# Altium PCB Shuttler_AFE.PcbDoc (part 2 of 5) (continued)
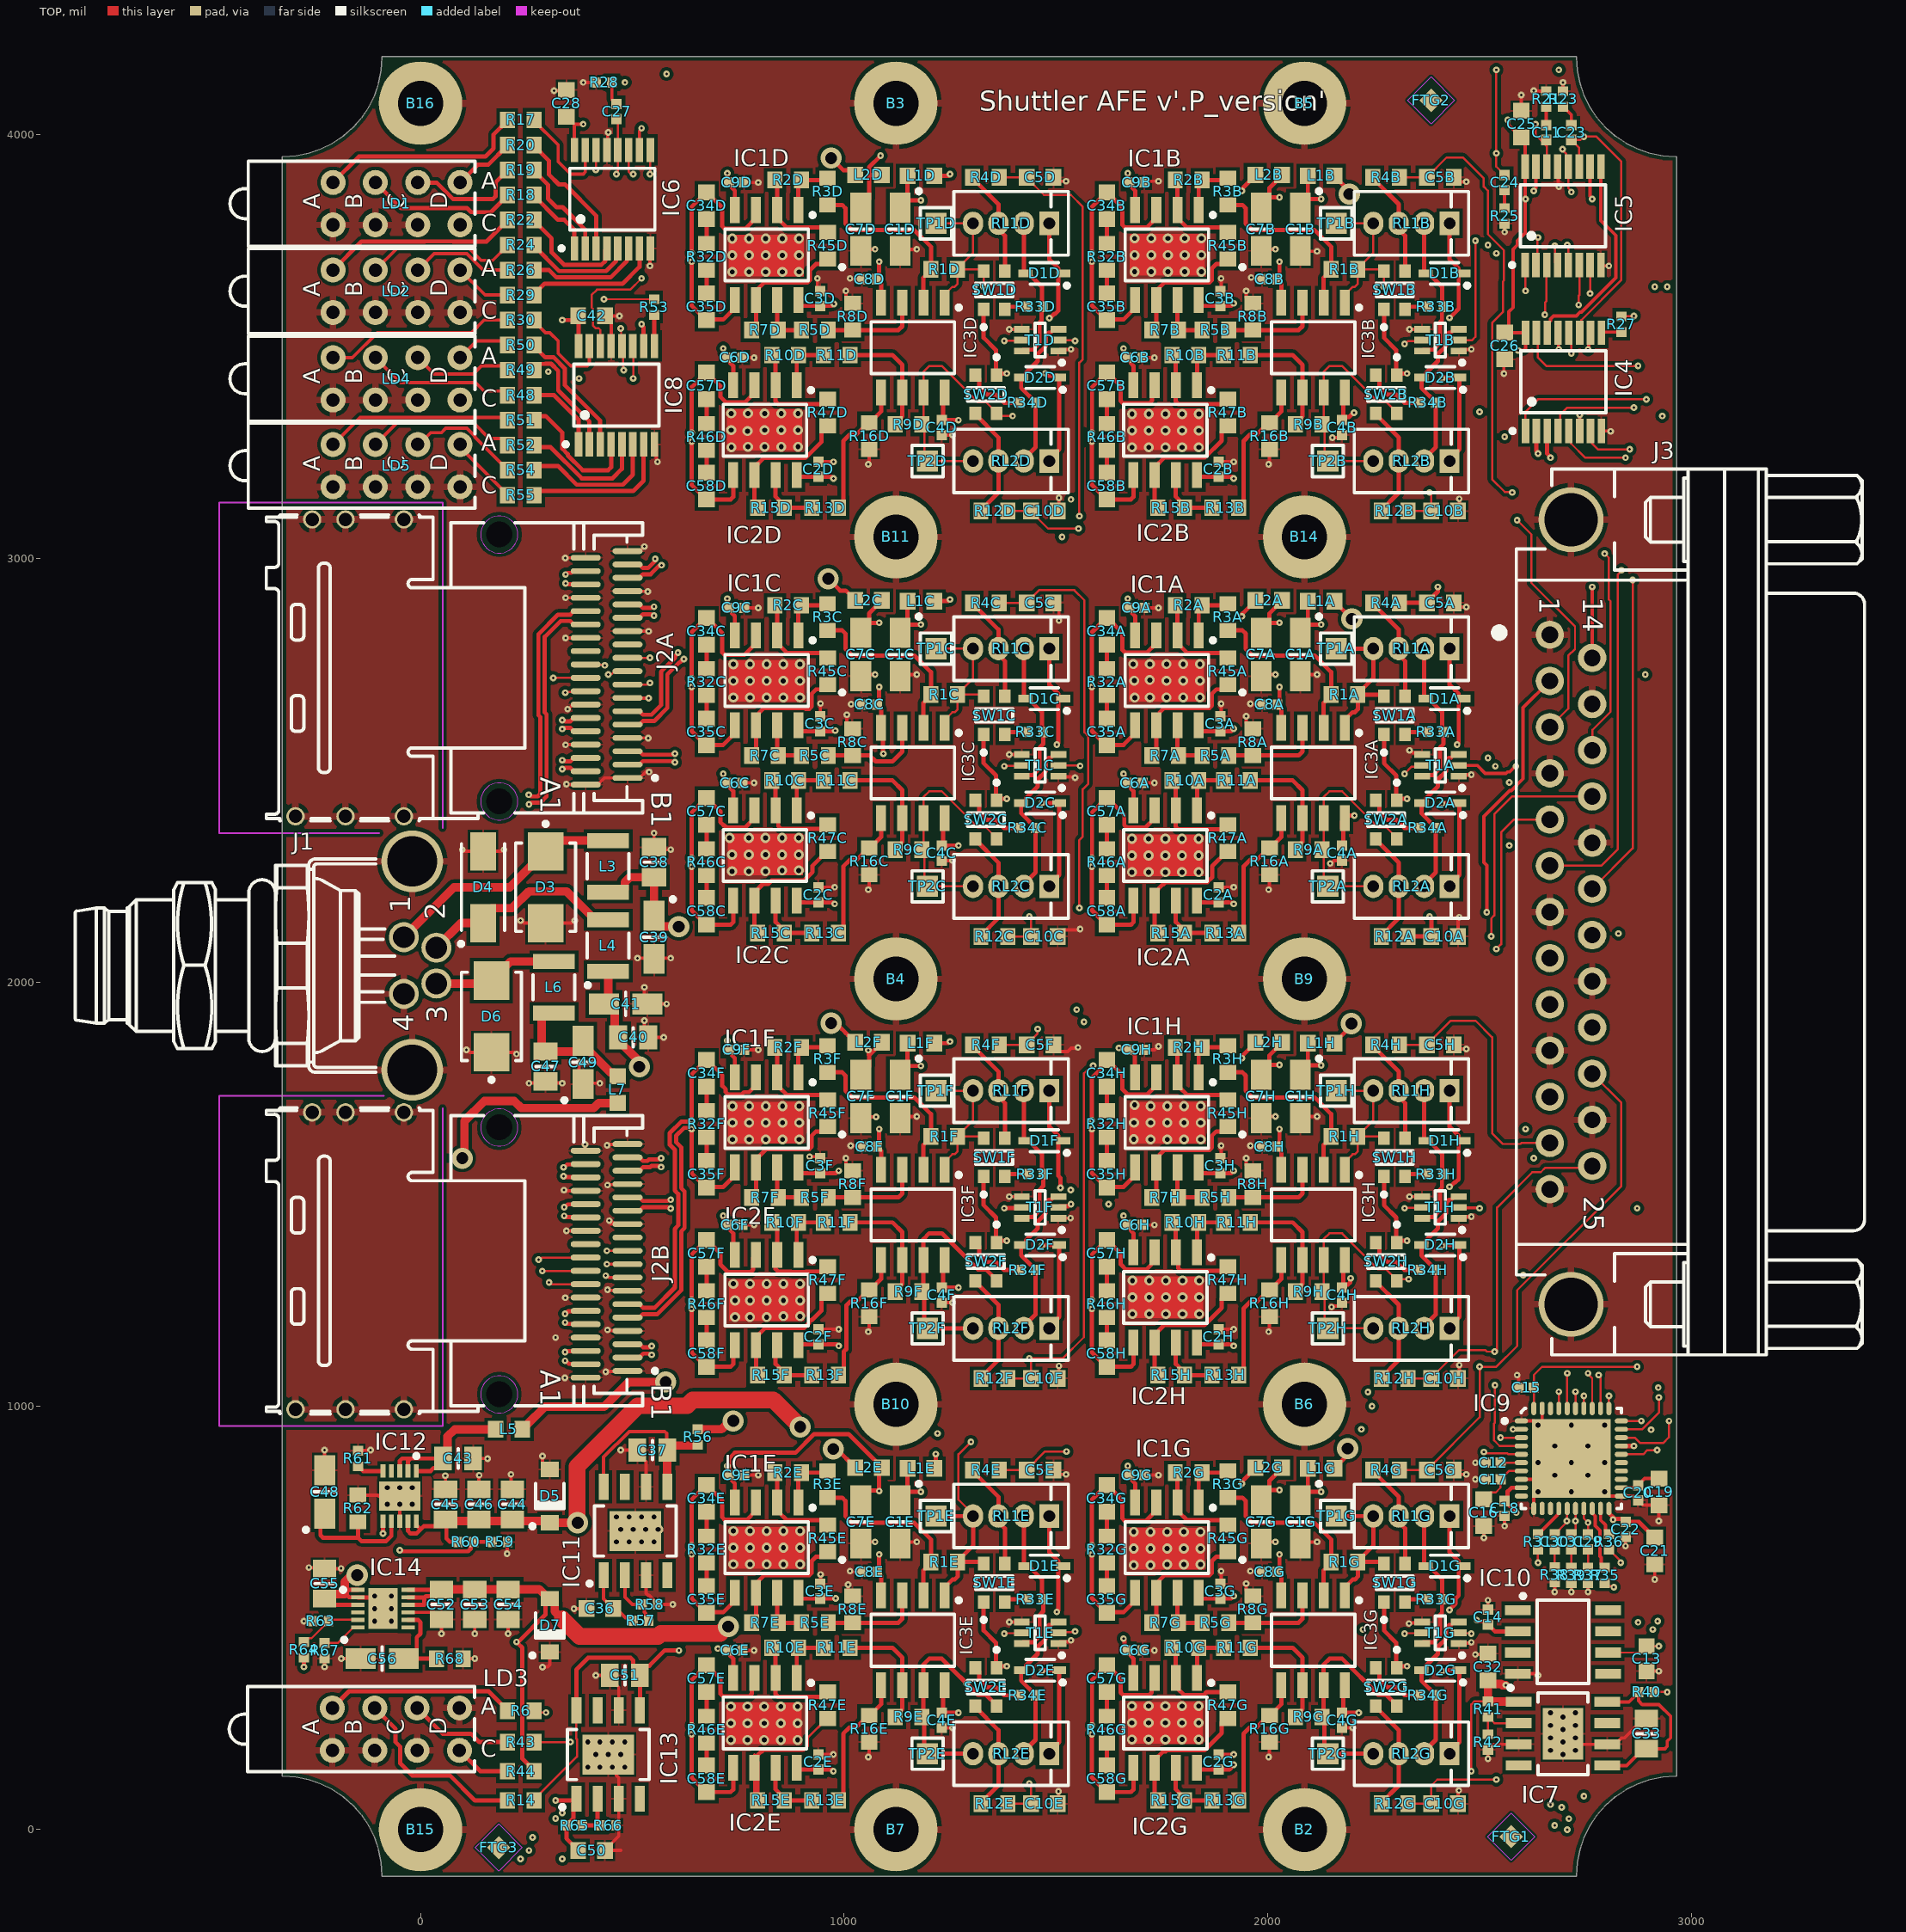
[diagram p0: TOP view]
## Part data (continued)
R4A R4B R4C R4D R4E R4F R4G R4H R12A R12B R12C R12D R12E R12F R12G R12H: library part R0603_47R_1%_0.1W_100PPM, "Resistor - 1%", Case=0603, Manufacturer=GENERIC, Manufacturer1 ComponentHeight=0.55mm, Manufacturer1 Example="NIC COMPONENT", Manufacturer1 Part Number=NRC06F47R0TRF, Power=0.1W, Tolerance=±1%, Author="CERN DEM JLC", Component Type=Standard, CreateDate=03.12.2007, HelpURL=\\cern.ch\dfs\Applications\Altium\Datasheets\R0603_NIC_NRC.pdf, LatestRevisionDate=13.03.2008, Manufacturer Part Number=R0603_47R_1%_0.1W_100PPM, Mounted=Yes, Part Description="General Purpose Thick Film Chip Resistor", Part Number=R0603_47R_1%_0.1W_100PPM, Pin Count=2, PressFit=No, Sense=No, SMD=Yes, Socket=No, Status=Preferred, TC=±100ppm/°C
R6 R17 R18 R19 R20 R22 R24 R26 R29 R30 R48 R49 R50 R51 R52 R54 R55: library part R0603_560R_1%_0.1W_100PPM, "Resistor - 1%", Case=0603, Manufacturer=GENERIC, Manufacturer1 ComponentHeight=0.55mm, Manufacturer1 Example="NIC COMPONENT", Manufacturer1 Part Number=NRC06F5600TRF, Power=0.1W, Tolerance=±1%, Author="CERN DEM JLC", Component Type=Standard, CreateDate=03.12.2007, HelpURL=\\cern.ch\dfs\Applications\Altium\Datasheets\R0603_NIC_NRC.pdf, LatestRevisionDate=13.03.2008, Manufacturer Part Number=R0603_560R_1%_0.1W_100PPM, Mounted=Yes, Part Description="General Purpose Thick Film Chip Resistor", Part Number=R0603_560R_1%_0.1W_100PPM, Pin Count=2, PressFit=No, Sense=No, SMD=Yes, Socket=No, Status=Preferred, TC=±100ppm/°C
R14: library part R0603_1K5_1%_0.1W_100PPM, "Resistor - 1%", Case=0603, Manufacturer=GENERIC, Manufacturer1 ComponentHeight=0.55mm, Manufacturer1 Example="NIC COMPONENT", Manufacturer1 Part Number=NRC06F1501TRF, Power=0.1W, Tolerance=±1%, Author="CERN DEM JLC", Component Type=Standard, CreateDate=03.12.2007, HelpURL=\\cern.ch\dfs\Applications\Altium\Datasheets\R0603_NIC_NRC.pdf, LatestRevisionDate=13.03.2008, Manufacturer Part Number=R0603_1K5_1%_0.1W_100PPM, Mounted=Yes, Part Description="General Purpose Thick Film Chip Resistor", Part Number=R0603_1K5_1%_0.1W_100PPM, Pin Count=2, PressFit=No, Sense=No, SMD=Yes, Socket=No, Status=Preferred, TC=±100ppm/°C
R21 R23 R25 R27 R28 R31 R35 R36 R37 R38 R39 R53: library part R0402_49R9_1%_0.0625W_100PPM, "Resistor - 1%", Case=0402, Manufacturer=GENERIC, Manufacturer1 ComponentHeight=0.4mm, Manufacturer1 Example="YAGEO PHYCOMP", Manufacturer1 Part Number="232270674999L or RC0402FR-0749R9L", Power=0.0625W, Tolerance=±1%, Author="CERN DEM JLC", Component Type=Standard, CreateDate=24.10.2012, HelpURL=\\cern.ch\dfs\Applications\Altium\Datasheets\R0402_Phycomp_RC0402.pdf, LatestRevisionDate=24.10.2012, Manufacturer Part Number=R0402_49R9_1%_0.0625W_100PPM, Mounted=Yes, Part Description="General Purpose Thick Film Chip Resistor", Part Number=R0402_49R9_1%_0.0625W_100PPM, Pin Count=2, PressFit=No, Sense=No, SMD=Yes, Socket=No, Status="Not Recommended", TC=±100ppm/°C
R32A R32B R32C R32D R32E R32F R32G R32H R46A R46B R46C R46D R46E R46F R46G R46H: library part R0603_100R_1%_0.1W_100PPM, "Resistor - 1%", Case=0603, Manufacturer=GENERIC, Manufacturer1 ComponentHeight=0.55mm, Manufacturer1 Example="NIC COMPONENT", Manufacturer1 Part Number=NRC06F4700TRF, Power=0.1W, Tolerance=±1%, Author="CERN DEM JLC", Component Type=Standard, CreateDate=03.12.2007, HelpURL=\\cern.ch\dfs\Applications\Altium\Datasheets\R0603_NIC_NRC.pdf, LatestRevisionDate=13.03.2008, Manufacturer Part Number=R0603_100R_1%_0.1W_100PPM, Mounted=Yes, Part Description="General Purpose Thick Film Chip Resistor", Part Number=R0603_100R_1%_0.1W_100PPM, Pin Count=2, PressFit=No, Sense=No, SMD=Yes, Socket=No, Status=Preferred, TC=±100ppm/°C
R33A R33B R33C R33D R33E R33F R33G R33H R34A R34B R34C R34D R34E R34F R34G R34H: library part R0402_3K3_1%_0.0625W_100PPM, "Resistor - 1%", Case=0402, Manufacturer=GENERIC, Manufacturer1 ComponentHeight=0.4mm, Manufacturer1 Example="YAGEO PHYCOMP", Manufacturer1 Part Number=232270673302L, Power=0.0625W, Tolerance=±1%, Author="CERN DEM JLC", Component Type=Standard, CreateDate=03.12.2007, HelpURL=\\cern.ch\dfs\Applications\Altium\Datasheets\R0402_Phycomp_RC0402.pdf, LatestRevisionDate=17.10.2012, Manufacturer Part Number=R0402_3K3_1%_0.0625W_100PPM, Mounted=Yes, Part Description="General Purpose Thick Film Chip Resistor", Part Number=R0402_3K3_1%_0.0625W_100PPM, Pin Count=2, PressFit=No, Sense=No, SMD=Yes, Socket=No, Status="Not Recommended", TC=±100ppm/°C
R40 R56: library part R0402_33R_1%_0.0625W_100PPM, "Resistor - 1%", Case=0402, Manufacturer=GENERIC, Manufacturer1 ComponentHeight=0.4mm, Manufacturer1 Example="YAGEO PHYCOMP", Manufacturer1 Part Number=232270673309L, Power=0.0625W, Tolerance=±1%, Author="CERN DEM JLC", Component Type=Standard, CreateDate=03/12/2007, HelpURL=\\cern.ch\dfs\Applications\Altium\Datasheets\R0402_Phycomp_RC0402.pdf, LatestRevisionDate=17/10/2012, Manufacturer Part Number=R0402_33R_1%_0.0625W_100PPM, Mounted=Yes, Part Description="General Purpose Thick Film Chip Resistor", Part Number=R0402_33R_1%_0.0625W_100PPM, Pin Count=2, PressFit=No, Sense=No, SMD=Yes, Socket=No, Status="Not Recommended", TC=±100ppm/°C
R41 R65: library part R0402_51K_1%_0.0625W_100PPM, "Resistor - 1%", Case=0402, Manufacturer=GENERIC, Manufacturer1 ComponentHeight=0.4mm, Manufacturer1 Example="YAGEO PHYCOMP", Manufacturer1 Part Number=232270674703L, Power=0.0625W, Tolerance=±1%, Author="CERN DEM JLC", Component Type=Standard, CreateDate=03.12.2007, HelpURL=\\cern.ch\dfs\Applications\Altium\Datasheets\R0402_Phycomp_RC0402.pdf, LatestRevisionDate=17.10.2012, Manufacturer Part Number=R0402_51K_1%_0.0625W_100PPM, Mounted=Yes, Part Description="General Purpose Thick Film Chip Resistor", Part Number=R0402_51K_1%_0.0625W_100PPM, Pin Count=2, PressFit=No, Sense=No, SMD=Yes, Socket=No, Status="Not Recommended", TC=±100ppm/°C
R42 R66: library part R0402_30K_1%_0.0625W_100PPM, "Resistor - 1%", Case=0402, Manufacturer=GENERIC, Manufacturer1 ComponentHeight=0.4mm, Manufacturer1 Example="YAGEO PHYCOMP", Manufacturer1 Part Number=232270673003L, Power=0.0625W, Tolerance=±1%, Author="CERN DEM JLC", Component Type=Standard, CreateDate=03.12.2007, HelpURL=\\cern.ch\dfs\Applications\Altium\Datasheets\R0402_Phycomp_RC0402.pdf, LatestRevisionDate=17.10.2012, Manufacturer Part Number=R0402_30K_1%_0.0625W_100PPM, Mounted=Yes, Part Description="General Purpose Thick Film Chip Resistor", Part Number=R0402_30K_1%_0.0625W_100PPM, Pin Count=2, PressFit=No, Sense=No, SMD=Yes, Socket=No, Status="Not Recommended", TC=±100ppm/°C
R43 R44: library part R0603_5k1_1%_0.1W_100PPM, "Resistor - 1%", Case=0603, Manufacturer=GENERIC, Manufacturer1 ComponentHeight=0.55mm, Manufacturer1 Example="NIC COMPONENT", Manufacturer1 Part Number=NRC06F5101TRF, Manufacturer Part Number=R0603_5K1_1%_0.1W_100PPM, Power=0.1W, Tolerance=±1%, Author="CERN DEM JLC", Component Type=Standard, CreateDate=03.12.2007, HelpURL=\\cern.ch\dfs\Applications\Altium\Datasheets\R0603_NIC_NRC.pdf, LatestRevisionDate=13.03.2008, Mounted=Yes, Part Description="General Purpose Thick Film Chip Resistor", Part Number=R0603_5K1_1%_0.1W_100PPM, Pin Count=2, PressFit=No, Sense=No, SMD=Yes, Socket=No, Status=Preferred, TC=±100ppm/°C
R45A R45B R45C R45D R45E R45F R45G R45H R47A R47B R47C R47D R47E R47F R47G R47H: library part R0603_4K42_0.1%_0.063W_10PPM, "Resistor - 0.1%", Case=0603, Manufacturer=GENERIC, Manufacturer1 ComponentHeight=0.5mm, Manufacturer1 Example="TYCO HOLSWORTHY", Manufacturer1 Part Number=RN73C1J4K42BTDF, Power=0.063W, Tolerance=±0.1%, Author="CERN DEM JLC", Component Type=Standard, CreateDate=03.12.2007, HelpURL=\\cern.ch\dfs\Applications\Altium\Datasheets\R0603_Tyco_RN73.pdf, LatestRevisionDate=13.03.2008, Manufacturer Part Number=R0603_4K42_0.1%_0.063W_10PPM, Mounted=Yes, Part Description="Thin Film Chip Resistor", Part Number=R0603_4K42_0.1%_0.063W_10PPM, Pin Count=2, PressFit=No, Sense=No, SMD=Yes, Socket=No, Status="Not Recommended", TC=±10ppm
R57: library part R0402_62K_1%_0.0625W_100PPM, "Resistor - 1%", Case=0402, Manufacturer=GENERIC, Manufacturer1 ComponentHeight=0.4mm, Manufacturer1 Example="YAGEO PHYCOMP", Manufacturer1 Part Number=232270676203L, Power=0.0625W, Tolerance=±1%, Author="CERN DEM JLC", Component Type=Standard, CreateDate=03.12.2007, HelpURL=\\cern.ch\dfs\Applications\Altium\Datasheets\R0402_Phycomp_RC0402.pdf, LatestRevisionDate=17.10.2012, Manufacturer Part Number=R0402_62K_1%_0.0625W_100PPM, Mounted=Yes, Part Description="General Purpose Thick Film Chip Resistor", Part Number=R0402_62K_1%_0.0625W_100PPM, Pin Count=2, PressFit=No, Sense=No, SMD=Yes, Socket=No, Status="Not Recommended", TC=±100ppm/°C
R58: library part R0402_20K_1%_0.0625W_100PPM, "Resistor - 1%", Case=0402, Manufacturer=GENERIC, Manufacturer1 ComponentHeight=0.4mm, Manufacturer1 Example="YAGEO PHYCOMP", Manufacturer1 Part Number=232270672003L, Power=0.0625W, Tolerance=±1%, Author="CERN DEM JLC", Component Type=Standard, CreateDate=03.12.2007, HelpURL=\\cern.ch\dfs\Applications\Altium\Datasheets\R0402_Phycomp_RC0402.pdf, LatestRevisionDate=17.10.2012, Manufacturer Part Number=R0402_20K_1%_0.0625W_100PPM, Mounted=Yes, Part Description="General Purpose Thick Film Chip Resistor", Part Number=R0402_20K_1%_0.0625W_100PPM, Pin Count=2, PressFit=No, Sense=No, SMD=Yes, Socket=No, Status="Not Recommended", TC=±100ppm/°C
R59 R63: library part R0402_1K3_1%_0.0625W_100PPM, "Resistor - 1%", Case=0402, Manufacturer=GENERIC, Manufacturer1 ComponentHeight=0.4mm, Manufacturer1 Example="YAGEO PHYCOMP", Manufacturer1 Part Number=232270671302L, Power=0.0625W, Tolerance=±1%, Author="CERN DEM JLC", Component Type=Standard, CreateDate=03.12.2007, HelpURL=\\cern.ch\dfs\Applications\Altium\Datasheets\R0402_Phycomp_RC0402.pdf, LatestRevisionDate=17.10.2012, Manufacturer Part Number=R0402_1K3_1%_0.0625W_100PPM, Mounted=Yes, Part Description="General Purpose Thick Film Chip Resistor", Part Number=R0402_1K3_1%_0.0625W_100PPM, Pin Count=2, PressFit=No, Sense=No, SMD=Yes, Socket=No, Status="Not Recommended", TC=±100ppm/°C
R60 R64: library part R0402_51K_1%_0.0625W_100PPM, "Resistor - 1%", Case=0402, Manufacturer=GENERIC, Manufacturer1 ComponentHeight=0.4mm, Manufacturer1 Example="YAGEO PHYCOMP", Manufacturer1 Part Number=232270675103L, Power=0.0625W, Tolerance=±1%, Author="CERN DEM JLC", Component Type=Standard, CreateDate=03.12.2007, HelpURL=\\cern.ch\dfs\Applications\Altium\Datasheets\R0402_Phycomp_RC0402.pdf, LatestRevisionDate=17.10.2012, Manufacturer Part Number=R0402_51K_1%_0.0625W_100PPM, Mounted=Yes, Part Description="General Purpose Thick Film Chip Resistor", Part Number=R0402_51K_1%_0.0625W_100PPM, Pin Count=2, PressFit=No, Sense=No, SMD=Yes, Socket=No, Status="Not Recommended", TC=±100ppm/°C
R61: library part R0402_330R_1%_0.0625W_100PPM, "Resistor - 1%", Case=0402, Manufacturer=GENERIC, Manufacturer1 ComponentHeight=0.4mm, Manufacturer1 Example="YAGEO PHYCOMP", Manufacturer1 Part Number=232270673301L, Power=0.0625W, Tolerance=±1%, Author="CERN DEM JLC", Component Type=Standard, CreateDate=03.12.2007, HelpURL=\\cern.ch\dfs\Applications\Altium\Datasheets\R0402_Phycomp_RC0402.pdf, LatestRevisionDate=17.10.2012, Manufacturer Part Number=R0402_330R_1%_0.0625W_100PPM, Mounted=Yes, Part Description="General Purpose Thick Film Chip Resistor", Part Number=R0402_330R_1%_0.0625W_100PPM, Pin Count=2, PressFit=No, Sense=No, SMD=Yes, Socket=No, Status="Not Recommended", TC=±100ppm/°C
R62 R68: library part R0603_130k_1%_0.1W_100PPM, "Resistor - 1%", Case=0603, Manufacturer=GENERIC, Manufacturer1 ComponentHeight=0.55mm, Manufacturer1 Example="NIC COMPONENT", Manufacturer1 Part Number=NRC06F1303TRF, Manufacturer Part Number=R0603_130K_1%_0.1W_100PPM, Power=0.1W, Tolerance=±1%, Author="CERN DEM JLC", Component Type=Standard, CreateDate=03.12.2007, HelpURL=\\cern.ch\dfs\Applications\Altium\Datasheets\R0603_NIC_NRC.pdf, LatestRevisionDate=13.03.2008, Mounted=Yes, Part Description="General Purpose Thick Film Chip Resistor", Part Number=R0603_130K_1%_0.1W_100PPM, Pin Count=2, PressFit=No, Sense=No, SMD=Yes, Socket=No, Status=Preferred, TC=±100ppm/°C
R67: library part R0402_10k_1%_0.0625W_100PPM, "Resistor - 1%", Case=0402, Manufacturer=GENERIC, Manufacturer1 ComponentHeight=0.4mm, Manufacturer1 Example="YAGEO PHYCOMP", Manufacturer1 Part Number=232270671003L, Manufacturer Part Number=R0402_10K_1%_0.0625W_100PPM, Power=0.0625W, Tolerance=±1%, Author="CERN DEM JLC", Component Type=Standard, CreateDate=03.12.2007, HelpURL=\\cern.ch\dfs\Applications\Altium\Datasheets\R0402_Phycomp_RC0402.pdf, LatestRevisionDate=17.10.2012, Mounted=Yes, Part Description="General Purpose Thick Film Chip Resistor", Part Number=R0402_10K_1%_0.0625W_100PPM, Pin Count=2, PressFit=No, Sense=No, SMD=Yes, Socket=No, Status="Not Recommended", TC=±100ppm/°C
RL1A RL1B RL1C RL1D RL1E RL1F RL1G RL1H RL2A RL2B RL2C RL2D RL2E RL2F RL2G RL2H: "SPST (1 Form A) Very High Packing Density SIL Reed Relay, 116 Serie", Manufacturer="PICKERING ELECTRONICS", Manufacturer Part Number=116-1-A-5/2, Author="CERN DEM JLC", Component Type=Standard, ComponentHeight=12.6mm, CreateDate=31.05.2011, HelpURL=\\cern.ch\dfs\Applications\Altium\Datasheets\REL_PICKERING_116.pdf, LatestRevisionDate=07.03.2017, Mounted=Yes, PackageDescription="4 Leads, Body 6.86 x 3.81mm, 1Form A SIL Reed Relay, 116 Series", Part Description="SPST (1 Form A) Very High Packing Density SIL Reed Relay, 116 Series", Part Number=REL_PICKERING_116-1-A-5/2, Pin Count=8, PressFit=No, Sense=No, SMD=No, Socket=No, Status=None
SW1A SW1B SW1C SW1D SW1E SW1F SW1G SW1H SW2A SW2B SW2C SW2D SW2E SW2F SW2G SW2H: "PhotoMOS Relay", Case=SON4, Manufacturer="PANASONIC ELECTRIC WORKS", Author="CERN DEM JLC", Component Type=Standard, ComponentHeight=1.4mm, ComponentLink1Description="Package Drawing", ComponentLink1URL=\\cern.ch\dfs\Applications\Altium\Datasheets\AQY221N3M_Package-Drawing.pdf, CreateDate=18/01/2010, Device=AQY221N3M, HelpURL=\\cern.ch\dfs\Applications\Altium\Datasheets\AQY221N3M.pdf, LatestRevisionDate=18/01/2010, Manufacturer Part Number=AQY221N3M, Mounted=Yes, PackageDescription="PANASONIC Serie AQY22(SON)  Small Outline No Lead, 4 pins, 2.2x2.95mm", Part Description="Micro-miniature SON Package Lower Output Capacitance and On Resistance (C×R5) 25V Load Voltage PhotoMOS Relay", Part Number=AQY221N3M, Pin Count=4, SMD=Yes, Socket=No, Table=Optocouplers
T1A T1B T1C T1D T1E T1F T1G T1H: "Dual N-Channel micro TrenchMOS™ Ultra Low Level FET", Case=SOT363, Manufacturer="NXP SEMICONDUCTORS", Author="CERN DEM JLC", Bonding=No, Component Type=Standard, ComponentHeight=1.1mm, CreateDate=19.11.2014, Device=PMGD280UN, HelpURL=\\cern.ch\dfs\Applications\Altium\Datasheets\PMGD280UN.pdf, LatestRevisionDate=19.11.2014, Manufacturer Part Number=PMGD280UN, Mounted=Yes, PackageDescription="SOT363, SC70-6, 0.65mm Pitch; 6 Pin, 1.25mm W X 2.00mm L X 1.10mm H body, IPC Medium Density", Part Description="20V 870mA Dual N-Channel micro TrenchMOS™ Ultra Low Level FET", Part Number=PMGD280UN, Pin Count=6, PressFit=No, Sense=No, SMD=Yes, Socket=No
TP1A TP1B TP1C TP1D TP1E TP1F TP1G TP1H TP2A TP2B TP2C TP2D TP2E TP2F TP2G TP2H: library part SMD_PAD_1.27X1.27MM, Author="CERN DEM JLC", Component Type="Standard (No BOM)", ComponentHeight=0mm, CreateDate=12.01.2008, Family="Test Point", HelpURL=Undefined, LatestRevisionDate=12.01.2008, Mounted=No, PackageDescription="1.27mm x 1.27mm PCB Copper Area (SMD Test Point)", Part Description="1.27mm x 1.27mm PCB Copper Area (SMD Test Point)", Part Number=SMD_PAD_1.27X1.27MM, Pin Count=1, Sense=No, SMD=No, Socket=No, Status=None

## Via types
v1: diameter 15.75, hole 5.91, TOP to BOTTOM, tented both sides, 554 vias
v2: diameter 23.62, hole 11.81, TOP to BOTTOM, tented both sides, 300 vias
v3: diameter 50, hole 28, TOP to BOTTOM, tented both sides, 17 vias

## Nets (pads, with @x,y where several pads share a name; then routed paths per layer and width w, separated by ;. In a path a pad name is that pad's centre, name@x,y a point inside that pad or via, vN(x,y) a via of type N, cw(c..) or ccw(c..) an arc to the next point about the centre after c; other vN are vias at no path point)
ADC_CH0: IC3A.1 IC9.2 R1A.2 RL1A.4 SW1A.4 TP1A.1 | length 2671.7
  TOP w10: TP1A.1@2161.42,2787.4 RL1A.4@2249.06,2787.4 2249.06,2717.56 2212.6,2681.1 R1A.2@2212.6,2679.13 ; IC3A.1@2181.89,2600.39 2181.89,2619.09 2200.17,2637.38 2205.53,2637.38 2212.6,2644.45 R1A.2@2212.6,2679.13 ; SW1A.4@2274.21,2675.2 2270.28,2679.13 R1A.2@2212.6,2679.13 ; v1(2578.74,944.88) IC9.2@2598.43,944.88
  L3 w10: v1(2220.91,944.88) v1(2578.74,944.88)
  L2 w10: v1(2220.91,944.88) 2220.02,945.77 2220.02,967.76 2218.03,969.75 2218.03,1162.61 2215.43,1165.21 2215.43,1209.97 2257.96,1252.5 2257.96,1683.7 2215.43,1726.23 2215.43,1813.12 2232.35,1830.04 2232.35,2029.04 2215.43,2045.96 2215.43,2244.96 2270.03,2299.56 2270.03,2721.73 2249.06,2742.71 RL1A.4@2249.06,2787.4
ADC_CH1: IC3A.7 IC9.3 R9A.2 RL2A.4 SW2A.4 TP2A.1 | length 2366.8
  TOP w5: RL2A.4@2249.06,2226.38 TP2A.1@2141.73,2226.38 2131.97,2236.14 2131.97,2316.85 2131.89,2316.93 IC3A.7@2131.89,2387.8 2131.89,2437.01 2145.67,2450.79 2175.36,2450.79 2260.54,2365.61 2279.47,2365.61 2304.53,2340.55 SW2A.4@2304.53,2338.58 ; v1(2549.21,925.2) IC9.3@2598.43,925.2
  L3 w5: RL2A.4@2249.06,2226.38 2249.06,2230.31 2337.2,2318.46 2564.53,2318.46 2568.9,2322.83 v1(2570.09,2322.83)
  L2 w5: v1(2549.21,925.2) 2549.21,964.57 2568.9,984.25 2568.9,2321.64 v1(2570.09,2322.83)
ADC_CH2: IC3B.1 IC9.4 R1B.2 RL1B.4 SW1B.4 TP1B.1 | length 4274.1
  TOP w5: TP1B.1@2161.42,3791.34 RL1B.4@2249.06,3791.34 2249.06,3721.5 2212.6,3685.04 R1B.2@2212.6,3683.07 ; IC3B.1@2181.89,3604.33 2181.89,3623.03 2200.17,3641.31 2205.53,3641.31 2212.6,3648.39 R1B.2@2212.6,3683.07 ; v1(2273.62,3641.73) 2273.92,3642.03 2273.92,3678.84 SW1B.4@2274.21,3679.13 2270.28,3683.07 R1B.2@2212.6,3683.07 ; v1(2536.02,1048.84) 2536.02,960.13 2533.84,957.94 2533.84,918.83 2547.16,905.51 IC9.4@2598.43,905.51
  L3 w5: v1(2273.62,3641.73) 2517,3641.73 2537.91,3662.64 2892.48,3662.64 v1(2913.39,3641.73) ; v1(2536.02,1048.84) 2571.97,1048.84 2577.35,1043.46 2613.55,1043.46 2631.85,1061.77 2767.03,1061.77 2785.5,1043.31 v1(2921.72,1043.31)
  L2 w5: v1(2913.39,3641.73) 2913.39,2968.79 2925.3,2956.88 2925.3,1589.3 2927.09,1587.5 2927.09,1069.58 2921.72,1064.21 v1(2921.72,1043.31)
ADC_CH3: IC3B.7 IC9.5 R9B.2 RL2B.4 SW2B.4 TP2B.1 | length 3391.3
  TOP w5: RL2B.4@2249.06,3230.31 TP2B.1@2141.73,3230.31 2133.86,3238.19 2133.86,3318.9 2131.89,3320.87 IC3B.7@2131.89,3391.73 2131.89,3440.94 2145.67,3454.72 2175.36,3454.72 2260.54,3369.55 2279.47,3369.55 2304.53,3344.49 SW2B.4@2304.53,3342.52 ; v1(2509.84,891.22) 2512.72,888.35 2565.56,888.35 2568.08,885.83 IC9.5@2598.43,885.83
  L3 w5: RL2B.4@2249.06,3230.31 2249.06,3234.25 2302.2,3287.4 v1(2559.06,3287.4)
  L2 w5: v1(2509.84,891.22) 2509.84,986.69 2553.9,1030.75 2553.9,1593.46 2554.72,1594.28 2554.72,2502.2 2554.96,2502.44 2554.96,2689.03 2559.06,2693.12 v1(2559.06,3287.4)
ADC_CH4: IC3C.1 IC9.26 R1C.2 RL1C.4 SW1C.4 TP1C.1 | length 3987.5
  TOP w5: TP1C.1@1216.54,2787.4 RL1C.4@1304.17,2787.4 1304.17,2717.56 1267.72,2681.1 R1C.2@1267.72,2679.13 ; IC3C.1@1237.01,2600.39 1237.01,2619.09 1255.29,2637.38 1260.65,2637.38 1267.72,2644.45 R1C.2@1267.72,2679.13 ; SW1C.4@1329.33,2675.2 1325.39,2679.13 R1C.2@1267.72,2679.13 ; IC9.26@2834.65,885.83 2886.18,885.83 2896.02,895.67 v1(2919.07,895.67)
  L3 w5: RL1C.4@1304.17,2787.4 1304.17,2783.46 1351.42,2736.22 1515.75,2736.22 1568.96,2789.43 2161.35,2789.43 2214.57,2736.22 2588.58,2736.22 2608.27,2755.91 2706.69,2755.91 2736.22,2726.38 2743.65,2726.38 2747.74,2722.28 2857.8,2722.28 2861.89,2726.38 v1(2890.98,2726.38)
  L2 w5: v1(2890.98,2726.38) 2890.98,2685.82 2905.3,2671.51 2905.3,1581.02 2907.09,1579.22 2907.09,1077.87 2896.35,1067.12 2896.35,1011.09 2917.09,990.34 2917.09,953.07 2919.91,950.26 2919.91,896.5 v1(2919.07,895.67)
ADC_CH5: IC3C.7 IC9.27 R9C.2 RL2C.4 SW2C.4 TP2C.1 | length 3473.4
  TOP w5: RL2C.4@1304.17,2226.38 TP2C.1@1196.85,2226.38 1188.98,2234.25 1188.98,2314.96 1187.01,2316.93 IC3C.7@1187.01,2387.8 1187.01,2437.01 1200.79,2450.79 1230.48,2450.79 1315.66,2365.61 1334.59,2365.61 1359.65,2340.55 SW2C.4@1359.65,2338.58
  TOP w11.81: IC9.27@2834.65,905.51 v1(2864.17,905.51)
  L3 w5: RL2C.4@1304.17,2226.38 1304.17,2222.44 1337.8,2188.82 1511.94,2188.82 1527.84,2204.72 1563.06,2204.72 1612.27,2155.51 2342.52,2155.51 2362.2,2135.83 2509.84,2135.83 2519.69,2145.67 2559.06,2145.67 2627.95,2214.57 2677.17,2214.57 2682.32,2209.41 2683.75,2209.41 2708.12,2185.04 2726.38,2185.04 2746.06,2165.35 2804.04,2165.35 2827.68,2141.72 v1(2827.68,2115.07)
  L2 w5: v1(2827.68,2115.07) 2827.68,933.1 2853.85,906.93 2862.75,906.93 v1(2864.17,905.51)
ADC_CH6: IC3D.1 IC9.28 R1D.2 RL1D.4 SW1D.4 TP1D.1 | length 4906.3
  TOP w5: TP1D.1@1216.54,3791.34 RL1D.4@1304.17,3791.34 1304.17,3721.5 1267.72,3685.04 R1D.2@1267.72,3683.07 ; IC3D.1@1237.01,3604.33 1237.01,3623.03 1255.29,3641.31 1260.65,3641.31 1267.72,3648.39 R1D.2@1267.72,3683.07 ; v1(1328.74,3641.73) 1329.04,3642.03 1329.04,3678.84 SW1D.4@1329.33,3679.13 1325.39,3683.07 R1D.2@1267.72,3683.07 ; IC9.28@2834.65,925.2 2866.23,925.2 2879.11,912.32 2933.07,912.32 2946.99,926.24 v1(2946.99,964.57)
  L3 w5: v1(1328.74,3641.73) 1915.09,3641.73 1941.75,3615.08 2341.09,3615.08 2345.35,3619.33 2514.31,3619.33 2543.68,3648.7 2761.62,3648.7 2785.4,3624.92 2926.1,3624.92 v1(2942.91,3641.73)
  L2 w5: v1(2942.91,3641.73) 2942.91,3639.6 2948.07,3634.44 2948.07,2281.95 2950.93,2279.09 2950.93,1585.98 2948.44,1583.49 2948.44,966.02 v1(2946.99,964.57)
ADC_CH7: IC3D.7 IC9.29 R9D.2 RL2D.4 SW2D.4 TP2D.1 | length 4639.1
  TOP w5: RL2D.4@1304.17,3230.31 TP2D.1@1196.85,3230.31 1188.98,3238.19 1188.98,3318.9 1187.01,3320.87 IC3D.7@1187.01,3391.73 1187.01,3440.94 1200.79,3454.72 1230.48,3454.72 1315.66,3369.55 1334.59,3369.55 1359.65,3344.49 SW2D.4@1359.65,3342.52 1365.55,3336.61 v1(1397.64,3336.61) ; IC9.29@2834.65,944.88 2883.78,944.88 2923.23,984.33 v1(2923.23,1020.09)
  L3 w5: v1(1397.64,3336.61) 1593.53,3336.61 1643.35,3386.43 2197.35,3386.43 2259.67,3324.11 2918.76,3324.11 v1(2931.26,3336.61)
  L2 w5: v1(2923.23,1020.09) 2937.09,1033.95 2937.09,1591.65 2936.99,1591.75 2936.99,2139.53 2935.3,2141.23 2935.3,2968.09 2931.26,2972.13 v1(2931.26,3336.61)
ADC_CH8: IC3E.1 IC9.30 R1E.2 RL1E.4 SW1E.4 TP1E.1 | length 2262.4
  TOP w5: v1(1299.21,915.35) 1269.69,885.83 1269.69,778.58 1304.17,744.09 RL1E.4@1304.17,740.16 ; IC9.30@2834.65,964.57 v1(2881.72,964.57)
  TOP w10: TP1E.1@1216.54,740.16 RL1E.4@1304.17,740.16 1304.17,670.31 1267.72,633.86 R1E.2@1267.72,631.89 ; IC3E.1@1237.01,553.15 1237.01,571.85 1255.29,590.13 1260.65,590.13 1267.72,597.2 R1E.2@1267.72,631.89 ; SW1E.4@1329.33,627.95 1325.39,631.89 R1E.2@1267.72,631.89
  L3 w5: v1(1299.21,915.35) 1342.48,958.62 1807.23,958.62 1848.31,917.54 2122.4,917.54 2158.48,953.62 2174.09,953.62 2194.32,973.84 2504.73,973.84 2504.92,974.04 2815.33,974.04 2824.8,964.57 v1(2881.72,964.57)
ADC_CH9: IC3E.7 IC9.31 R9E.2 RL2E.4 SW2E.4 TP2E.1 | length 2852
  TOP w5: IC9.31@2805.12,994.09 v1(2805.12,1023.62)
  TOP w10: RL2E.4@1304.17,179.13 TP2E.1@1196.85,179.13 1188.98,187.01 1188.98,267.72 1187.01,269.69 IC3E.7@1187.01,340.55 1187.01,389.76 1200.79,403.54 1230.48,403.54 1315.66,318.37 1334.59,318.37 1359.65,293.31 SW2E.4@1359.65,291.34
  L3 w5: v1(1220.47,935.04) 1254.05,968.62 1811.38,968.62 1852.46,927.54 2118.26,927.54 2154.34,963.62 2154.56,963.62 2174.79,983.84 2470.06,983.84 2478.68,992.46 2773.95,992.46 v1(2805.12,1023.62)
  L2 w5: v1(1220.47,935.04) 1231.72,923.79 1231.72,726.94 1289.37,669.29 v1(1289.37,344.49)
ADC_CH10: IC3F.1 IC9.32 R1F.2 RL1F.4 SW1F.4 TP1F.1 | length 2490.8
  TOP w5: TP1F.1@1216.54,1744.09 RL1F.4@1304.17,1744.09 1304.17,1674.25 1267.72,1637.8 R1F.2@1267.72,1635.83 ; IC3F.1@1237.01,1557.09 1237.01,1575.79 1255.29,1594.07 1260.65,1594.07 1267.72,1601.14 R1F.2@1267.72,1635.83 ; SW1F.4@1329.33,1631.89 1325.39,1635.83 R1F.2@1267.72,1635.83 ; v1(2781.12,1072.83) 2781.12,1069.93 2785.43,1065.62 IC9.32@2785.43,994.09
  L3 w5: RL1F.4@1304.17,1744.09 1304.17,1740.16 1339.5,1704.83 1585.74,1704.83 1623.04,1742.13 1909.45,1742.13 1938.98,1712.6 2214.57,1712.6 2332.68,1594.49 2622.09,1594.49 2622.09,1592.06 2627.95,1586.2 v1(2627.95,1584.65)
  L2 w5: v1(2627.95,1584.65) 2627.95,1541.19 2622.28,1535.52 2622.28,1411.38 2631.3,1402.36 2631.3,1278.22 2628.98,1275.9 2628.98,1182.33 2749.54,1061.77 2770.06,1061.77 v1(2781.12,1072.83)
ADC_CH11: IC3F.7 IC9.33 R9F.2 RL2F.4 SW2F.4 TP2F.1 | length 2144.4
  TOP w5: v1(2755.91,1077.15) 2755.91,1075.09 2765.75,1065.25 IC9.33@2765.75,994.09
  TOP w10: RL2F.4@1304.17,1183.07 TP2F.1@1196.85,1183.07 1188.98,1190.94 1188.98,1271.65 1187.01,1273.62 IC3F.7@1187.01,1344.49 1187.01,1393.7 1200.79,1407.48 1230.48,1407.48 1315.66,1322.3 1334.59,1322.3 1359.65,1297.24 SW2F.4@1359.65,1295.28
  L3 w5: RL2F.4@1304.17,1183.07 1304.17,1179.13 1341.57,1141.73 1870.08,1141.73 1889.76,1122.05 1958.66,1122.05 1968.5,1131.89 2490.16,1131.89 2528.15,1093.9 2744.69,1093.9 2749.57,1089.01 2749.57,1086.39 2755.91,1080.05 v1(2755.91,1077.15)
ADC_CH12: IC3G.1 IC9.34 R1G.2 RL1G.4 SW1G.4 TP1G.1 | length 1169
  TOP w5: IC9.34@2746.06,994.09 v1(2746.06,1023.62)
  TOP w10: TP1G.1@2161.42,740.16 RL1G.4@2249.06,740.16 2249.06,670.31 2212.6,633.86 R1G.2@2212.6,631.89 ; IC3G.1@2181.89,553.15 2181.89,571.85 2200.17,590.13 2205.53,590.13 2212.6,597.2 R1G.2@2212.6,631.89 ; SW1G.4@2274.21,627.95 2270.28,631.89 R1G.2@2212.6,631.89
  L3 w5: v1(2245.91,999.22) 2258.11,1011.42 2733.86,1011.42 v1(2746.06,1023.62)
  L2 w5: v1(2245.91,999.22) 2246.56,998.57 2246.56,983.84 2249.06,981.34 RL1G.4@2249.06,740.16
ADC_CH13: IC3G.7 IC9.35 R9G.2 RL2G.4 SW2G.4 TP2G.1 | length 1974
  TOP w5: IC9.35@2726.38,994.09 v1(2726.38,1033.46)
  TOP w10: RL2G.4@2249.06,179.13 TP2G.1@2141.73,179.13 2133.86,187.01 2133.86,267.72 2131.89,269.69 IC3G.7@2131.89,340.55 2131.89,389.76 2145.67,403.54 2175.36,403.54 2260.54,318.37 2279.47,318.37 2304.53,293.31 SW2G.4@2304.53,291.34
  L3 w5: v1(2236.35,1033.02) 2236.8,1033.46 2657.48,1033.46 2675.79,1051.77 2708.07,1051.77 v1(2726.38,1033.46)
  L2 w5: v1(2236.35,1033.02) 2235.91,1032.57 2235.91,1010.96 2230.53,1005.59 2230.53,974.92 2236.28,969.18 2236.28,846.41 2217.93,828.06 2217.93,705.3 2251.59,671.63 2251.59,181.67 RL2G.4@2249.06,179.13
ADC_CH14: IC3H.1 IC9.36 R1H.2 RL1H.4 SW1H.4 TP1H.1 | length 1471.4
  TOP w5: TP1H.1@2161.42,1744.09 RL1H.4@2249.06,1744.09 2249.06,1674.25 2212.6,1637.8 R1H.2@2212.6,1635.83 ; IC3H.1@2181.89,1557.09 2181.89,1575.79 2200.17,1594.07 2205.53,1594.07 2212.6,1601.14 R1H.2@2212.6,1635.83 ; SW1H.4@2274.21,1631.89 2270.28,1635.83 R1H.2@2212.6,1635.83 ; IC9.36@2706.69,994.09 v1(2706.69,1077.15)
  L3 w5: RL1H.4@2249.06,1744.09 2249.06,1740.16 2335.67,1653.54 v1(2608.27,1653.54)
  L2 w5: v1(2608.27,1653.54) 2608.27,1542.71 2607.28,1541.73 2607.28,1405.16 2618.09,1394.35 2618.09,1161.43 2691.21,1088.32 2694.75,1088.32 2705.92,1077.15 v1(2706.69,1077.15)
ADC_CH15: IC3H.7 IC9.37 R9H.2 RL2H.4 SW2H.4 TP2H.1 | length 1201.8
  TOP w5: RL2H.4@2249.06,1183.07 TP2H.1@2141.73,1183.07 2133.86,1190.94 2133.86,1271.65 2131.89,1273.62 IC3H.7@2131.89,1344.49 2131.89,1393.7 2145.67,1407.48 2175.36,1407.48 2260.54,1322.3 2279.47,1322.3 2304.53,1297.24 SW2H.4@2304.53,1295.28 2308.46,1299.21 v1(2332.68,1299.21) ; IC9.37@2687.01,994.09 v1(2687.01,1033.46)
  L3 w5: v1(2332.68,1299.21) 2342.52,1299.21 2352.36,1309.06 v1(2602.72,1309.06)
  L2 w5: v1(2602.72,1309.06) 2602.72,1117.75 v1(2687.01,1033.46)
AFE0_CTRL_0: C24.2 IC4.12 IC5.12 J2A.B8 | length 4570.9
  TOP w5: J2A.B8@488.58,2702.76 535.27,2702.76 539.21,2706.69 v1(541.34,2706.69) ; v1(2539.37,4153.54) v1(2539.37,3956.69) 2539.37,3925.2 C24.2@2559.06,3905.51 ; v1(2695.89,3966.27) 2695.89,3964.14 2704.72,3955.3 2704.72,3930.12 IC5.12@2709.65,3925.2 2709.65,3874.26 2716.54,3867.37 v1(2716.54,3865.24) ; IC4.12@2710.63,3533.46 2715.55,3528.54 2715.55,3504.92 2716.54,3503.94 v1(2716.54,3484.25)
  L3 w5: v1(482.28,4124.02) 1061.19,4124.02 1089.81,4152.64 2538.46,4152.64 v1(2539.37,4153.54) ; v1(2539.37,3956.69) 2684.18,3956.69 2693.76,3966.27 v1(2695.89,3966.27)
  L2 w5: v1(482.28,4124.02) 472.44,4114.17 472.44,4005.91 433.07,3966.54 433.07,3877.95 452.76,3858.27 452.76,3494.09 462.6,3484.25 462.6,2785.43 v1(541.34,2706.69) ; v1(2716.54,3484.25) 2716.54,3613.27 2723.5,3620.24 2723.5,3841.61 2718.04,3847.08 2718.04,3863.73 v1(2716.54,3865.24)
AFE0_CTRL_1: C23.2 IC4.11 IC5.11 IC6.11 IC8.11 J2A.A8 | length 4504.1
  TOP w5: v1(341.35,2683.43) 343.24,2685.33 388.08,2685.33 J2A.A8@389.76,2687.01 ; IC6.11@491.14,3964.57 491.14,3913.34 497,3907.48 v1(501.97,3907.48) ; v1(501.97,3425.2) IC8.11@501.97,3486.38 ; IC5.11@2735.24,3925.2 2735.24,3969.49 C23.2@2716.54,3988.19 2737.81,3988.19 2745.69,3996.06 v1(2746.06,3996.06) 2775.59,3996.06 2834.65,3937.01 2834.65,3657.56 2740.08,3562.99 2740.08,3537.32 IC4.11@2736.22,3533.46
  L3 w5: v1(374.02,3425.2) v1(501.97,3425.2) ; v1(501.97,3907.48) 521.65,3927.17 521.65,3937.01 575.02,3990.37 787.66,3990.37 790.14,3992.85 1057.58,3992.85 1076.34,3974.09 2674.88,3974.09 2696.85,3996.06 v1(2746.06,3996.06)
  L2 w5: v1(341.35,2683.43) 341.35,2703.95 343.31,2705.92 343.31,2791.66 357.72,2806.07 357.72,2877.41 374.02,2893.7 v1(374.02,3425.2) ; v1(501.97,3425.2) v1(501.97,3907.48)
AFE0_CTRL_2: C11.2 IC5.14 IC6.14 J2A.B9 | length 3704.7
  TOP w5: v1(413.39,3917.32) 413.88,3917.82 413.88,3964.07 IC6.14@414.37,3964.57 ; v1(442.91,2726.38) 444.42,2727.88 452.07,2727.88 458.44,2734.25 J2A.B9@488.58,2734.25 ; v1(2632.4,4025.59) 2632.4,3999.66 2658.46,3973.6 IC5.14@2658.46,3925.2
  L3 w5: v1(413.39,3917.32) 496.44,4000.37 783.52,4000.37 786,4002.85 1061.73,4002.85 1079.05,3985.53 1209.94,3985.53 1220.26,3995.86 1899.81,3995.86 1911.57,3984.09 2145.02,3984.09 2150.18,3989.25 2596.06,3989.25 v1(2632.4,4025.59)
  L2 w5: v1(413.39,3917.32) 413.39,2746.06 431.56,2727.88 441.41,2727.88 v1(442.91,2726.38)
AFE0_CTRL_3: C27.2 IC6.12 IC8.12 J2A.A9 | length 1597.2
  TOP w5: v1(312.94,2718.5) J2A.A9@389.76,2718.5 ; v1(462.6,3907.48) 462.6,3909.61 465.55,3912.56 IC6.12@465.55,3964.57 465.55,4034.45 C27.2@462.6,4037.4 ; v1(472.44,3543.31) 473.54,3542.21 473.54,3501.97 478.31,3497.2 478.31,3445.98 v1(479.41,3444.88)
  L3 w5: v1(301.55,3441.31) 302.32,3442.09 327.4,3442.09 330.2,3444.88 v1(479.41,3444.88)
  L2 w5: v1(301.55,3441.31) 302.32,3440.53 302.32,2729.63 312.94,2719.01 v1(312.94,2718.5) ; v1(462.6,3907.48) 486.38,3883.7 486.38,3557.24 v1(472.44,3543.31)
AFE0_CTRL_4: J2A.B10 R27.1 | length 4310.1
  TOP w5: J2A.B10@488.58,2765.75 v1(541.34,2765.75) ; R27.1@2834.65,3571.65 2835.24,3572.24 2863.58,3572.24 v1(2864.17,3572.83)
  L3 w5: v1(580.71,4143.7) 1029.61,4143.7 1056.27,4170.35 2670.2,4170.35 v1(2687.01,4153.54)
  L2 w5: v1(541.34,2765.75) 482.28,2824.8 482.28,3366.14 580.71,3464.57 v1(580.71,4143.7) ; v1(2687.01,4153.54) 2685.5,4152.04 2685.5,4136.44 2680.04,4130.98 2680.04,4117.05 2746.05,4051.04 2746.05,4019.85 2864.17,3901.73 v1(2864.17,3572.83)
AFE0_CTRL_5: J2A.A10 R53.1 | length 1029.2
  TOP w5: J2A.A10@389.76,2750 390.49,2749.28 432.39,2749.28 433.56,2748.11 v1(435.12,2748.11) ; v1(433.07,3612.2) R53.1@551.18,3612.2
  L2 w5: v1(433.07,3612.2) 434.09,3611.18 434.09,2749.13 v1(435.12,2748.11)
AFE0_CTRL_6: J2A.B11
AFE0_CTRL_7: J2A.A11
AFE0_CTRL_8: C31.2 IC9.16 J2B.B8 | length 4801.3
  TOP w5: C31.2@2716.54,696.85 2726.38,706.69 v1(2726.38,728.35) IC9.16@2726.38,757.87
  TOP w7.87: v1(437.35,1307.43) 439.48,1307.43 443.76,1303.15 J2B.B8@488.58,1303.15
  L3 w5: v1(334.65,-68.9) 1080.87,-68.9 1090.71,-78.74 2647.64,-78.74 2677.17,-49.21 v1(2677.17,9.84)
  L2 w5: v1(334.65,-68.9) 375.45,-28.09 375.45,404.54 405.35,434.43 405.35,765.43 382.35,788.43 382.35,1282.43 407.35,1307.43 v1(437.35,1307.43) ; v1(2677.17,9.84) 2691.72,24.4 2691.72,28.51 2704.22,41.01 2729.25,66.01 2729.25,85.7 2761.66,118.11 2771.29,118.11 2805.12,151.94 2805.12,472.44 2731.91,545.65 2731.91,632.78 2726.38,638.31 v1(2726.38,728.35)
AFE0_CTRL_9: C30.2 IC9.15 J2B.A8 | length 4789.4
  TOP w5: v1(303.35,1291.43) 306.25,1291.43 310.29,1287.4 J2B.A8@389.76,1287.4 ; C30.2@2677.17,696.85 v1@2704.12,723.81 ; v1@2704.12,726.84 v1(2705.63,728.35) ; v1@2706.69,728.35 IC9.15@2706.69,757.87
  L3 w5: v1(264.72,-18.66) 275.59,-29.53 964.24,-29.53 1084.47,90.71 1394.38,90.71 1437.25,47.83 1852.58,47.83 1895.46,90.71 2248.11,90.71 2288.86,49.96 2427.4,49.96 2437.83,39.53 2671.57,39.53 2682.43,50.39 2691.89,50.39 v1(2693.95,52.45)
  L2 w5: v1(264.72,-18.66) 264.72,338.44 303.35,377.07 v1(303.35,1291.43) ; v1(2693.95,52.45) 2696.55,52.45 2706.12,62.02 2709.65,62.02 2716.38,68.74 2716.38,91.04 2792.24,166.9 2792.24,463.57 2701.16,554.66 2701.16,637.81 2705.63,642.28 v1(2705.63,728.35)
AFE0_CTRL_10: C29.2 IC9.17 J2B.B9 | length 4721.7
  TOP w5: IC9.17@2746.06,757.87 2746.06,734.63 2755.91,724.78 C29.2@2755.91,696.85
  TOP w7.87: v1(439.73,1334.65) J2B.B9@488.58,1334.65
  L3 w5: v1(334.65,39.37) 374.02,0 957.35,0 1073.81,116.46 1405.04,116.46 1447.92,73.58 1831.91,73.58 1874.79,116.46 2258.78,116.46 2299.53,75.71 2520.21,75.71 2523.25,78.74 v1(2746.06,78.74)
  L2 w5: v1(334.65,39.37) 334.65,42.21 344.09,51.66 344.09,161.66 338.35,167.41 338.35,254.12 343.09,258.87 343.09,555.86 338.35,560.61 338.35,737.9 344.09,743.64 344.09,880.18 366.72,902.81 366.72,1301.76 399.61,1334.65 v1(439.73,1334.65) ; v1(2746.06,78.74) 2772.56,105.24 2824.8,157.48 2824.8,501.97 2791.38,535.39 2791.38,689.2 v1(2755.91,724.68)
AFE0_CTRL_11: J2B.A9 R35.2 | length 4721.2
  TOP w5: v1(287.35,1318.43) 287.58,1318.67 389.53,1318.67 J2B.A9@389.76,1318.9 ; R35.2@2795.28,581.89 2802.76,574.41 2812.74,574.41 2814.77,572.37 v1(2816.9,572.37)
  L3 w5: v1(255.91,-49.21) 962.76,-49.21 1089.81,77.83 1389.05,77.83 1431.92,34.96 1857.92,34.96 1900.79,77.83 2242.78,77.83 2283.53,37.09 2422.07,37.09 2432.5,26.65 2684.13,26.65 2691.1,19.69 2695.24,19.69 2699.13,23.58 2708.53,23.58 v1(2710.59,25.63) ; 2795.28,580.71 2802.1,573.88 2815.4,573.88 v1(2816.9,572.37)
  L2 w5: v1(255.91,-49.21) 255.91,-46.3 249.35,-39.74 249.35,360.29 255.03,365.98 255.03,1286.12 v1(287.35,1318.43) ; v1(2710.59,25.63) 2748.32,63.37 2755.92,63.37 2837.68,145.13 2837.68,507.3 2816.9,528.07 v1(2816.9,572.37)
AFE0_CTRL_12: J2B.B10 R31.2 | length 4652.5
  TOP w5: v1(439.73,1366.14) J2B.B10@488.58,1366.14 ; v1(2637.8,629.92) R31.2@2637.8,660.63
  L3 w5: v1(318.72,26.07) 334.15,10.64 334.15,0.5 347.52,-12.87 962.69,-12.87 1079.14,103.58 1399.71,103.58 1442.59,60.71 1847.25,60.71 1890.12,103.58 2253.45,103.58 2294.19,62.83 2477.8,62.83 2481.58,59.06 v1(2667.32,59.06)
  L2 w5: v1(318.72,26.07) 317.4,27.39 317.4,43.95 317.83,44.37 317.83,46.27 334.09,62.53 334.09,157.52 328.35,163.27 328.35,864.1 334.09,869.85 334.09,884.32 356.72,906.95 356.72,1321.29 401.57,1366.14 v1(439.73,1366.14) ; v1(2637.8,629.92) 2637.8,578.65 2779.37,437.08 2779.37,172.23 2703.5,96.37 2703.5,85.39 2691.09,72.98 2681.25,72.98 v1(2667.32,59.06)
AFE0_CTRL_13: J2B.A10 R36.2 | length 4843.8
  TOP w5: v1(278.43,1345.43) 281.34,1345.43 286.3,1350.39 J2B.A10@389.76,1350.39 ; R36.2@2805.12,660.63 2805.91,660.63 2831.54,634.99 2831.54,631.43 v1(2833.05,629.92)
  L3 w5: v1(236.22,-68.9) 259.09,-91.77 2682.04,-91.77 2706.69,-67.12 v1(2706.69,0)
  L2 w5: v1(236.22,-68.9) 236.22,361.31 241.75,366.84 241.75,767.2 239.5,769.45 239.5,1306.5 v1(278.43,1345.43) ; v1(2706.69,0) 2850.55,143.86 2850.55,512.63 2833.72,529.47 2833.72,629.26 v1(2833.05,629.92)
AFE0_CTRL_14: J2B.B11
AFE0_CTRL_15: J2B.A11
AOUT0A_N: C34A.2 IC1A.3 J2A.B3 | length 1557.2
  TOP w9.84: J2A.B3@488.58,2545.28 516.59,2545.28 524.86,2537.01 593.32,2537.01 595.09,2538.77 599.26,2538.77 v1(600.39,2539.9)
  TOP w10: v1(1584.65,2717.6) 1584.65,2825.79 1619.09,2860.24 C34A.2@1620.08,2860.24 1621.06,2860.24 1656.99,2824.31 1656.99,2784.24 1662.85,2778.39 1715,2778.39 1736.81,2800.2 IC1A.3@1736.81,2818.9
  L3 w3.94: v1(600.39,2539.9) 603.15,2539.9 608.61,2534.45 623.38,2534.45 677.52,2588.58 909.59,2588.58 932.16,2566.01 1048.01,2566.01 1194.14,2712.15 1576.43,2712.15 1581.89,2717.6 v1(1584.65,2717.6)
AOUT0A_P: C35A.1 IC1A.5 J2A.B2 | length 1447.8
  TOP w9.84: J2A.B2@488.58,2513.78 516.59,2513.78 524.86,2522.05 593.32,2522.05 595.09,2520.28 599.26,2520.28 v1(600.39,2519.15)
  TOP w10: v1(1584.65,2696.85) 1584.65,2593.5 1619.09,2559.06 C35A.1@1620.08,2559.06 1621.26,2560.24 1659.45,2560.24 1686.81,2587.6 IC1A.5@1686.81,2606.3
  L3 w3.94: v1(600.39,2519.15) 603.15,2519.15 608.61,2524.61 627.46,2524.61 681.59,2578.74 905.51,2578.74 925.2,2559.06 928.08,2556.17 1052.09,2556.17 1198.22,2702.3 1576.43,2702.3 1581.89,2696.85 v1(1584.65,2696.85)
AOUT0B_N: C34E.2 IC1E.3 J2B.B3 | length 962.3
  TOP w9.84: J2B.B3@517.73,1145.67 524.86,1138.54 538.28,1138.54 540.04,1140.3 544.22,1140.3 v1(545.35,1141.43)
  TOP w10: v1(639.76,670.35) 639.76,778.54 674.21,812.99 C34E.2@675.2,812.99 676.18,812.99 712.11,777.07 712.11,737 717.96,731.14 770.11,731.14 791.92,752.95 IC1E.3@791.92,771.65
  L3 w3.94: v1(545.35,1141.43) 548.11,1141.43 553.56,1135.98 590.54,1135.98 620.19,1106.32 633.35,1093.17 633.35,924.43 646.72,911.06 646.72,711.54 621.92,686.74 621.92,667.21 624.23,664.9 631.55,664.9 637,670.35 v1(639.76,670.35)
AOUT0B_P: C35E.1 IC1E.5 J2B.B2 | length 855
  TOP w9.84: J2B.B2@516.59,1114.17 526,1123.58 538.28,1123.58 540.04,1121.82 544.22,1121.82 v1(545.35,1120.69)
  TOP w10: v1(639.76,649.61) 639.76,546.26 674.21,511.81 C35E.1@675.2,511.81 676.38,513 714.57,513 741.92,540.35 IC1E.5@741.92,559.06
  L3 w3.94: v1(545.35,1120.69) 548.11,1120.69 553.56,1126.14 586.46,1126.14 610.35,1102.25 623.5,1089.09 623.5,920.36 636.88,906.98 636.88,715.62 612.08,690.82 612.08,663.13 620.15,655.06 631.55,655.06 637,649.61 v1(639.76,649.61)